# Altium PCB 6502_CPU_MainBoard_PCB_V1_2_x.PcbDoc (part 3 of 4) (continued)
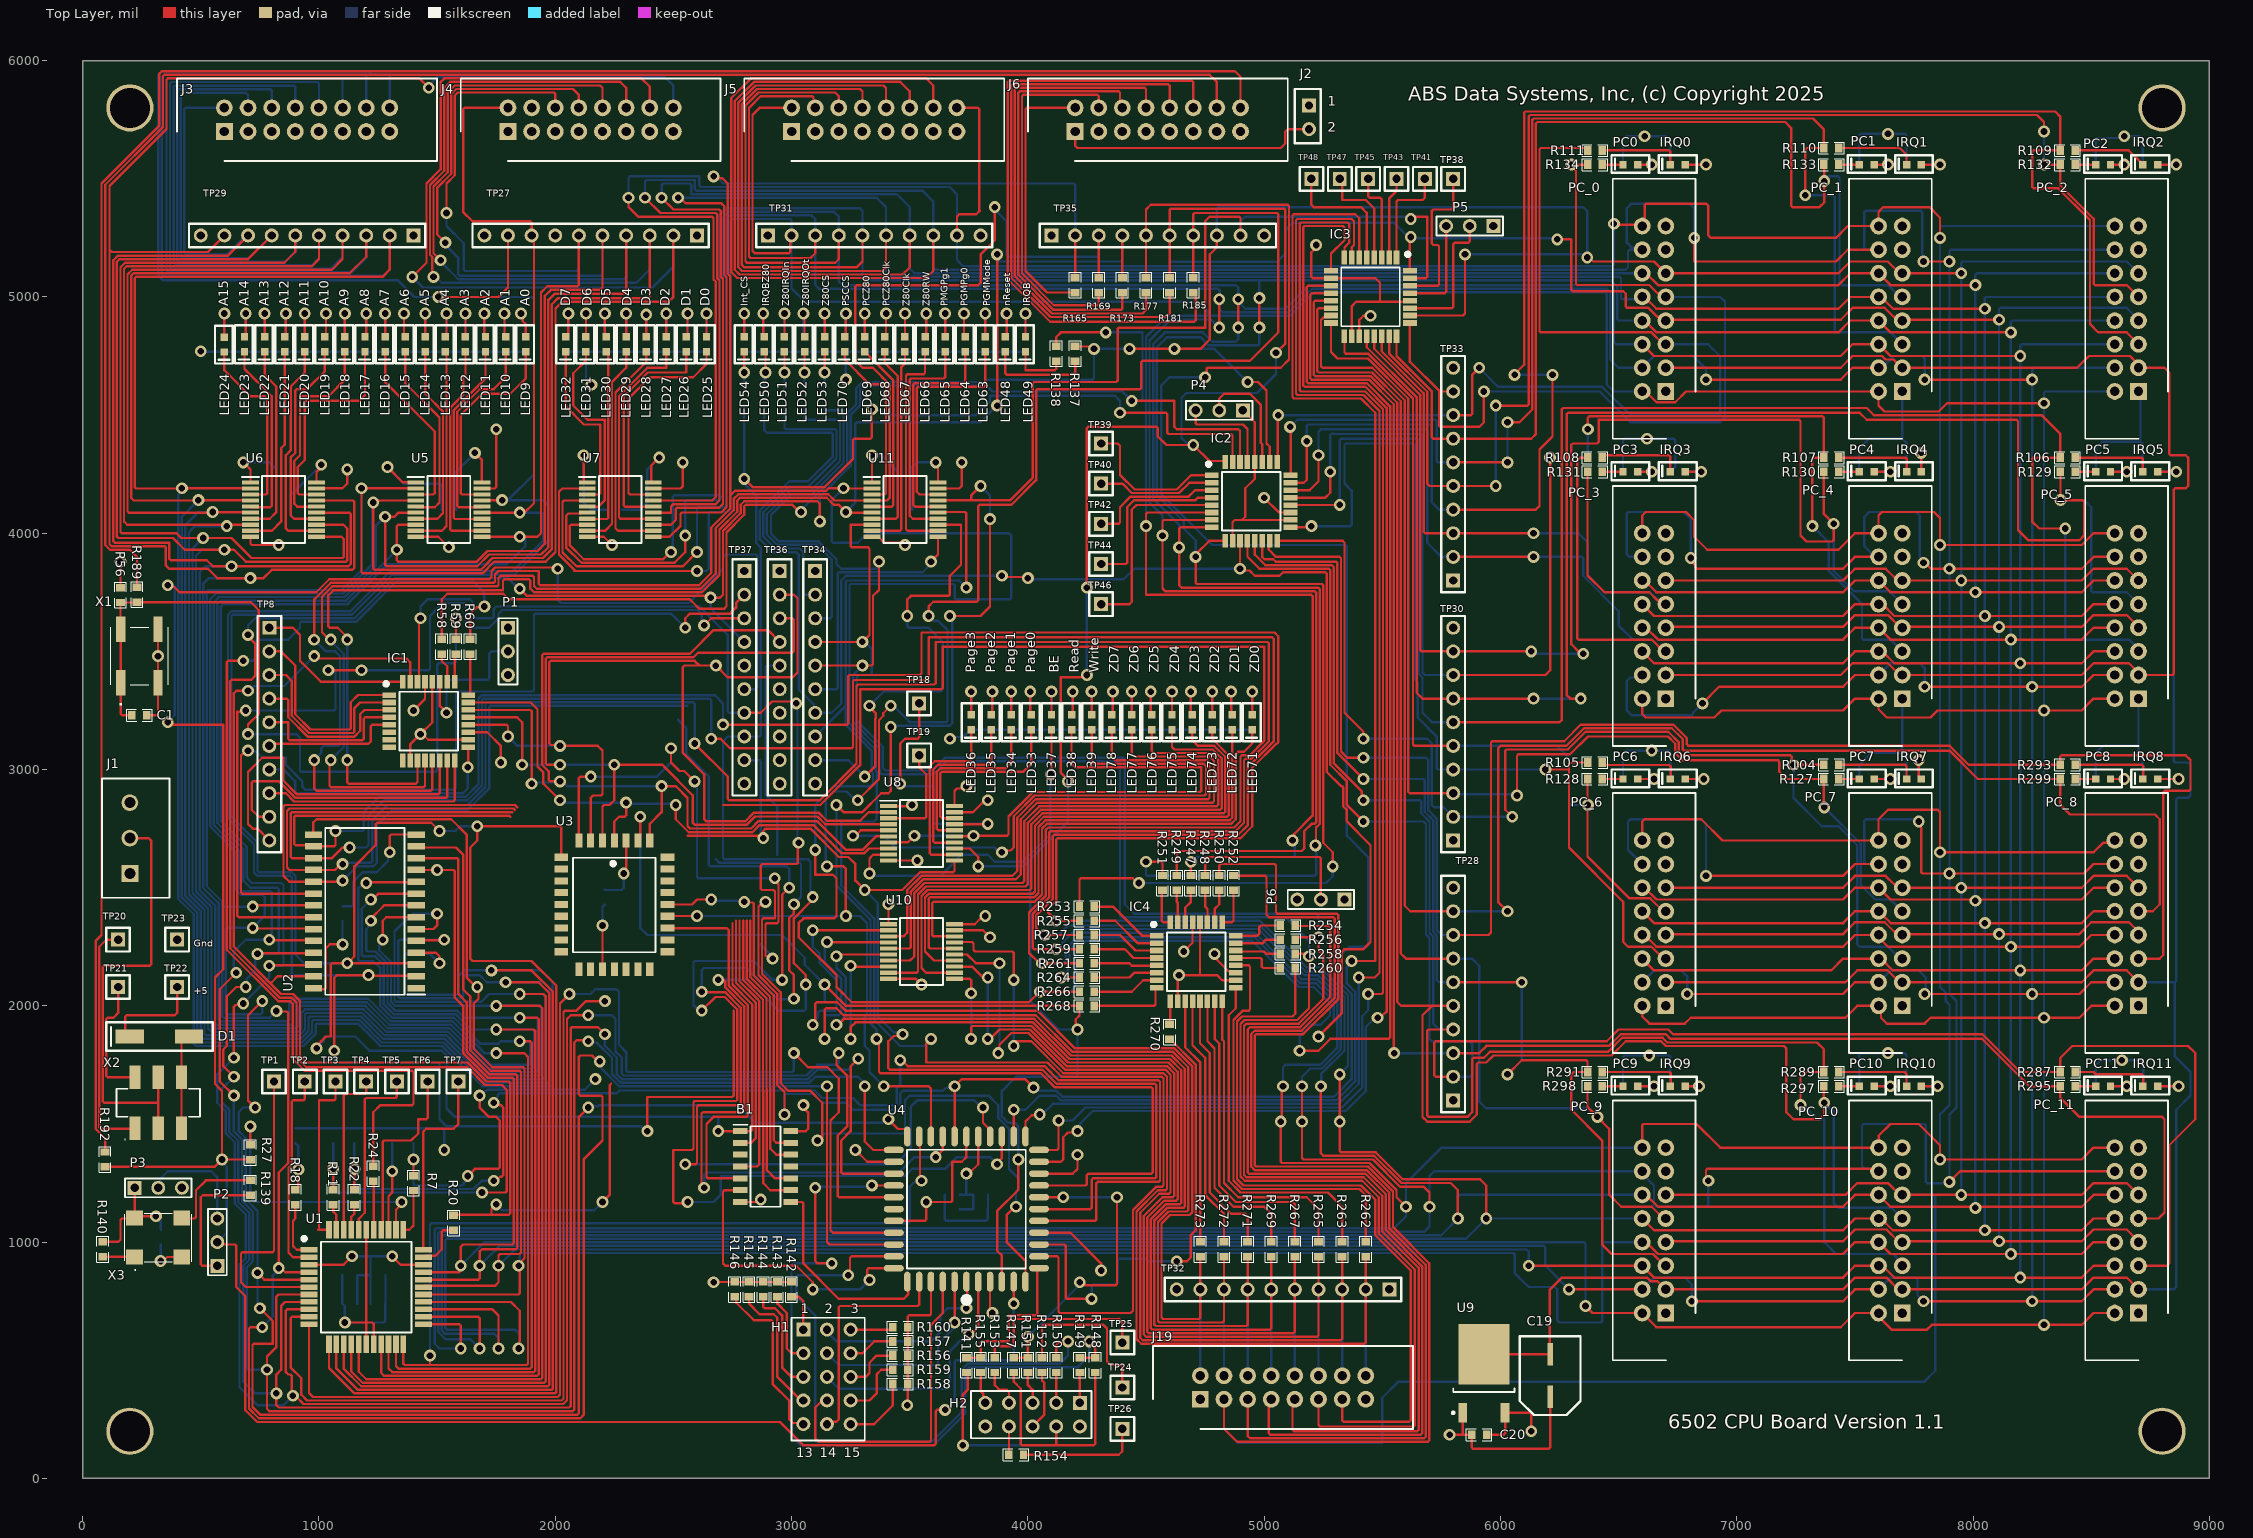
[diagram p0: Top Layer view]
## Nets (pads, with @x,y where several pads share a name; then routed paths per layer and width w, separated by ;. In a path a pad name is that pad's centre, name@x,y a point inside that pad or via, vN(x,y) a via of type N, cw(c..) or ccw(c..) an arc to the next point about the centre after c; other vN are vias at no path point) (continued)
NetJ6_6: J6.6 R173.2 | length 1845.2
  Top Layer w10: R173.2@4400,5018.5 4400,4950.86 4394.14,4945 4108.79,4945 3960,5093.79 3960,5864.14 3965.86,5870 4384.14,5870 4390,5864.14 4390,5810 J6.6@4400,5800
NetJ6_8: J6.8 R177.2 | length 2131.3
  Top Layer w10: R177.2@4500,5018.5 4500,4977.24 4500.86,4976.38 4500.86,4945.86 4485,4930 4102.57,4930 3945,5087.57 3945,5879.14 3950.86,5885 4494.14,5885 4500,5879.14 J6.8@4500,5800
NetJ6_10: J6.10 R181.2 | length 2415.4
  Top Layer w10: R181.2@4600,5018.5 4600,4930 4585,4915 4096.36,4915 3930,5081.36 3930,5894.14 3935.86,5900 4594.14,5900 4600,5894.14 J6.10@4600,5800
NetJ6_12: J6.12 R185.2 | length 2726.8
  Top Layer w10: R185.2@4700,5018.5 4710,5008.5 4710,4900.86 4704.14,4895 4095.15,4895 3915,5075.15 3915,5909.14 3920.86,5915 4694.14,5915 4700,5909.14 J6.12@4700,5800
NetJ6_14: J6.14 R189.2 | length 6952.6
  Top Layer w10: R189.2@230,3771.5 230,3900 200,3930 116.21,3930 95.61,3950.61 95.61,5474.39 340,5718.79 340,5933.54 346.46,5940 4769.14,5940 4800,5909.14 J6.14@4800,5800
NetJ6_16: J6.16 R192.2 | length 9412.4
  Top Layer w10: R192.2@95,1381.5 95,1439.64 55,1479.64 55,2275 80,2300 80,5480 325,5725 325,5945 335,5955 4876.72,5955 4900,5931.72 J6.16@4900,5800
NetLED9_1: LED9.1 U5.18 | length 875.1
  Top Layer w10: U5.18@1689.76,4163.98 1605.86,4163.98 1600,4169.83 1600,4500 1690,4590 1810,4590 1875,4655 LED9.1@1875,4768.5
NetLED9_2: LED9.2 R80.1 | length 213.6
  Top Layer w10: v1(1855,4930) 1862.65,4922.35 1862.65,4897.35 1875,4885 LED9.2@1875,4831.5
  Bottom Layer w10: v1(1855,4930) 1862.65,4922.35 1862.65,4897.35 1875,4885 R80.1@1875,4831.5
NetLED10_1: LED10.1 U5.16 | length 879.8
  Top Layer w10: U5.16@1689.76,4112.8 1686.97,4110 1591.72,4110 1585,4116.72 1585,4513.79 1680.61,4609.39 1739.39,4609.39 1790,4660 LED10.1@1790,4768.5
NetLED10_2: LED10.2 R81.1 | length 201.2
  Top Layer w10: v1(1785,4930) 1785,4836.5 LED10.2@1790,4831.5
  Bottom Layer w10: v1(1785,4930) 1785,4836.5 R81.1@1790,4831.5
NetLED11_1: LED11.1 U5.14 | length 881.4
  Top Layer w10: U5.14@1689.76,4061.61 1688.15,4060 1575.86,4060 1570,4065.86 1570,4520 1705,4655 LED11.1@1705,4768.5
NetLED11_2: LED11.2 R82.1 | length 201.2
  Top Layer w10: v1(1700,4930) 1700,4836.5 LED11.2@1705,4831.5
  Bottom Layer w10: v1(1700,4930) 1700,4836.5 R82.1@1705,4831.5
NetLED12_1: LED12.1 U5.12 | length 916.3
  Top Layer w10: LED12.1@1620,4768.5 1620,4670 1610,4660 1610,4585 1555,4530 1555,4016.29 1560.86,4010.43 U5.12@1689.76,4010.43
NetLED12_2: LED12.2 R83.1 | length 197
  Top Layer w10: LED12.2@1620,4831.5 v1(1620,4930)
  Bottom Layer w10: R83.1@1620,4831.5 v1(1620,4930)
NetLED13_1: LED13.1 U5.9 | length 878.4
  Top Layer w10: U5.9@1410.24,4010.43 1520.43,4010.43 1540,4030 1540,4763.5 LED13.1@1535,4768.5
NetLED13_2: LED13.2 R84.1 | length 201.2
  Top Layer w10: LED13.2@1535,4831.5 1540,4836.5 v1(1540,4930)
  Bottom Layer w10: R84.1@1535,4831.5 1540,4836.5 v1(1540,4930)
NetLED14_1: LED14.1 U5.7 | length 839
  Top Layer w10: U5.7@1410.24,4061.61 1501.61,4061.61 1525,4085 1525,4515 1450,4590 LED14.1@1450,4768.5
NetLED14_2: LED14.2 R85.1 | length 197
  Top Layer w10: LED14.2@1450,4831.5 v1(1450,4930)
  Bottom Layer w10: R85.1@1450,4831.5 v1(1450,4930)
NetLED15_1: LED15.1 U5.5 | length 807.8
  Top Layer w10: LED15.1@1365,4768.5 1365,4635 1510,4490 1510,4130 1490,4110 1413.03,4110 U5.5@1410.24,4112.8
NetLED15_2: LED15.2 R86.1 | length 201.2
  Top Layer w10: v1(1360,4930) 1360,4836.5 LED15.2@1365,4831.5
  Bottom Layer w10: v1(1360,4930) 1360,4836.5 R86.1@1365,4831.5
NetLED16_1: LED16.1 U5.3 | length 767.8
  Top Layer w10: LED16.1@1280,4768.5 1280,4640 1490,4430 1490,4169.83 1484.14,4163.98 U5.3@1410.24,4163.98
NetLED16_2: LED16.2 R87.1 | length 197
  Top Layer w10: LED16.2@1280,4831.5 v1(1280,4930)
  Bottom Layer w10: R87.1@1280,4831.5 v1(1280,4930)
NetLED17_1: LED17.1 U6.18 | length 930.2
  Top Layer w10: U6.18@989.76,4163.98 915.86,4163.98 910,4169.83 910,4280 940,4310 940,4554.14 945.86,4560 1170,4560 1195,4585 LED17.1@1195,4768.5
NetLED17_2: LED17.2 R88.1 | length 201.2
  Top Layer w10: LED17.2@1195,4831.5 1200,4836.5 v1(1200,4930)
  Bottom Layer w10: R88.1@1195,4831.5 1200,4836.5 v1(1200,4930)
NetLED18_1: LED18.1 U6.16 | length 898.7
  Top Layer w10: U6.16@989.76,4112.8 908.06,4112.8 895,4125.86 895,4305 920,4330 920,4574.14 925.86,4580 1040,4580 1110,4650 LED18.1@1110,4768.5
NetLED18_2: LED18.2 R89.1 | length 197
  Top Layer w10: LED18.2@1110,4831.5 v1(1110,4930)
  Bottom Layer w10: R89.1@1110,4831.5 v1(1110,4930)
NetLED19_1: LED19.1 U6.14 | length 894.2
  Top Layer w10: U6.14@989.76,4061.61 894.24,4061.61 880,4075.86 880,4320 900,4340 900,4604.14 905.86,4610 950,4610 1025,4685 LED19.1@1025,4768.5
NetLED19_2: LED19.2 R90.1 | length 201.2
  Top Layer w10: LED19.2@1025,4831.5 1030,4836.5 v1(1030,4930)
  Bottom Layer w10: R90.1@1025,4831.5 1030,4836.5 v1(1030,4930)
NetLED20_1: LED20.1 U6.12 | length 915.4
  Top Layer w10: LED20.1@940,4768.5 940,4680 880,4620 880,4350 860,4330 860,4020 869.57,4010.43 U6.12@989.76,4010.43
NetLED20_2: LED20.2 R91.1 | length 197
  Top Layer w10: LED20.2@940,4831.5 v1(940,4930)
  Bottom Layer w10: R91.1@940,4831.5 v1(940,4930)
NetLED21_1: LED21.1 U6.9 | length 871.2
  Top Layer w10: U6.9@710.24,4010.43 710.67,4010 800,4010 840,4050 840,4360 855,4375 LED21.1@855,4768.5
NetLED21_2: LED21.2 R92.1 | length 201.2
  Top Layer w10: LED21.2@855,4831.5 860,4836.5 v1(860,4930)
  Bottom Layer w10: R92.1@855,4831.5 860,4836.5 v1(860,4930)
NetLED22_1: LED22.1 U6.7 | length 820.7
  Top Layer w10: U6.7@710.24,4061.61 791.61,4061.61 820,4090 820,4620 770,4670 LED22.1@770,4768.5
NetLED22_2: LED22.2 R93.1 | length 197
  Top Layer w10: LED22.2@770,4831.5 v1(770,4930)
  Bottom Layer w10: R93.1@770,4831.5 v1(770,4930)
NetLED23_1: LED23.1 U6.5 | length 793.6
  Top Layer w10: LED23.1@685,4768.5 685,4695 800,4580 800,4115.86 794.14,4110 713.03,4110 U6.5@710.24,4112.8
NetLED23_2: LED23.2 R94.1 | length 201.2
  Top Layer w10: LED23.2@685,4831.5 690,4836.5 v1(690,4930)
  Bottom Layer w10: R94.1@685,4831.5 690,4836.5 v1(690,4930)
NetLED24_1: LED24.1 U6.3 | length 781.7
  Top Layer w10: LED24.1@600,4767 600,4690 710,4580 770,4580 781.88,4568.12 781.88,4169.83 776.02,4163.98 U6.3@710.24,4163.98
NetLED24_2: LED24.2 R95.1 | length 198.5
  Top Layer w10: LED24.2@600,4830 v1(600,4930)
  Bottom Layer w10: R95.1@600,4831.5 v1(600,4930)
NetLED25_1: LED25.1 U7.18 | length 950.4
  Top Layer w10: U7.18@2414.76,4163.98 2315.86,4163.98 2310,4169.83 2310,4570 2400,4660 2584.14,4660 2640,4715.86 LED25.1@2640,4768.5
NetLED25_2: LED25.2 R96.2 | length 197
  Top Layer w10: LED25.2@2640,4831.5 v1(2640,4930)
  Bottom Layer w10: R96.2@2640,4831.5 v1(2640,4930)
NetLED26_1: LED26.1 U7.16 | length 982.8
  Top Layer w10: U7.16@2414.76,4112.8 2295.86,4112.8 2290,4118.65 2290,4578.79 2391.21,4680 2555,4680 LED26.1@2555,4768.5
NetLED26_2: LED26.2 R97.2 | length 201.2
  Top Layer w10: LED26.2@2555,4831.5 2560,4836.5 v1(2560,4930)
  Bottom Layer w10: R97.2@2555,4831.5 2560,4836.5 v1(2560,4930)
NetLED27_1: LED27.1 U7.14 | length 977.9
  Top Layer w10: U7.14@2414.76,4061.61 2275.86,4061.61 2270,4067.47 2270,4580 2390,4700 2470,4700 LED27.1@2470,4768.5
NetLED27_2: LED27.2 R98.2 | length 197
  Top Layer w10: LED27.2@2470,4831.5 v1(2470,4930)
  Bottom Layer w10: R98.2@2470,4831.5 v1(2470,4930)
NetLED28_1: LED28.1 U7.12 | length 965.3
  Top Layer w10: LED28.1@2385,4768.5 2385,4725 2255,4595 2255,4021.29 2265.86,4010.43 U7.12@2414.76,4010.43
NetLED28_2: LED28.2 R99.2 | length 187
  Top Layer w10: LED28.2@2385,4831.5 v1(2385,4925)
  Bottom Layer w10: R99.2@2385,4831.5 v1(2385,4925)
NetLED29_1: LED29.1 U7.9 | length 895.7
  Top Layer w10: U7.9@2110.24,4010.43 U7.9@2135.24,4010.43 2135.67,4010 2210,4010 2240,4040 2240,4640 2300,4700 LED29.1@2300,4768.5
NetLED29_2: LED29.2 R100.2 | length 197
  Top Layer w10: LED29.2@2300,4831.5 v1(2300,4930)
  Bottom Layer w10: R100.2@2300,4831.5 v1(2300,4930)
NetLED30_1: LED30.1 U7.7 | length 824.6
  Top Layer w10: U7.7@2110.24,4061.61 U7.7@2135.24,4061.61 2136.85,4060 2219.14,4060 2225,4065.86 2225,4758.5 LED30.1@2215,4768.5
NetLED30_2: LED30.2 R101.2 | length 201.2
  Top Layer w10: v1(2210,4930) 2210,4836.5 LED30.2@2215,4831.5
  Bottom Layer w10: v1(2210,4930) 2210,4836.5 R101.2@2215,4831.5
NetLED31_1: LED31.1 U7.5 | length 835.2
  Top Layer w10: LED31.1@2130,4768.5 2130,4731 2076,4677 2076,4541 2137,4480 2210,4480 2210,4140 2182.8,4112.8 U7.5@2135.24,4112.8
NetLED31_2: LED31.2 R102.2 | length 197
  Top Layer w10: LED31.2@2130,4831.5 v1(2130,4930)
  Bottom Layer w10: R102.2@2130,4831.5 v1(2130,4930)
NetLED32_1: LED32.1 U7.3 | length 781.5
  Top Layer w10: LED32.1@2045,4768.5 2045,4536 2121,4460 2190,4460 2190,4169.72 2184.14,4163.86 2135.35,4163.86 U7.3@2135.24,4163.98 U7.3@2110.24,4163.98
NetLED32_2: LED32.2 R103.2 | length 206.1
  Top Layer w10: LED32.2@2045,4831.5 2055.75,4842.24 2055.75,4929.89 v1(2055.86,4930)
  Bottom Layer w10: R103.2@2045,4831.5 2050,4836.5 2050.11,4836.5 2055.86,4842.24 v1(2055.86,4930)
NetLED33_1: LED33.1 U8.18 | length 790.7
  Top Layer w10: U8.18@3689.76,2793.98 3637.9,2793.98 3630,2801.87 3630,2984.14 3635.86,2990 3980,2990 4015,3025 LED33.1@4015,3168.5
NetLED33_2: LED33.2 R112.2 | length 201.2
  Top Layer w10: v1(4010,3330) 4010,3236.5 LED33.2@4015,3231.5
  Bottom Layer w10: v1(4010,3330) 4010,3236.5 R112.2@4015,3231.5
NetLED34_1: LED34.1 U8.16 | length 788.8
  Top Layer w10: U8.16@3689.76,2742.8 3620.86,2742.8 3615,2748.65 3615,2990.36 3629.64,3005 3905,3005 3930,3030 LED34.1@3930,3168.5
NetLED34_2: LED34.2 R113.2 | length 197
  Top Layer w10: LED34.2@3930,3231.5 v1(3930,3330)
  Bottom Layer w10: R113.2@3930,3231.5 v1(3930,3330)
NetLED35_1: LED35.1 U8.14 | length 795.4
  Top Layer w10: U8.14@3689.76,2691.61 3688.15,2690 3605.86,2690 3600,2695.86 3600,3000 3620,3020 3839.14,3020 3845,3025.86 LED35.1@3845,3168.5
NetLED35_2: LED35.2 R114.2 | length 201.2
  Top Layer w10: LED35.2@3845,3231.5 3850,3236.5 v1(3850,3330)
  Bottom Layer w10: R114.2@3845,3231.5 3850,3236.5 v1(3850,3330)
NetLED36_1: LED36.1 U8.12 | length 789.4
  Top Layer w10: U8.12@3689.76,2640.43 3689.33,2640 3590.86,2640 3585,2645.86 3585,3014.14 3605.86,3035 3754.14,3035 3760,3040.86 LED36.1@3760,3168.5
NetLED36_2: LED36.2 R115.2 | length 197
  Top Layer w10: LED36.2@3760,3231.5 v1(3760,3330)
  Bottom Layer w10: R115.2@3760,3231.5 v1(3760,3330)
NetLED37_1: LED37.1 U8.9 | length 1462.5
  Top Layer w10: v1(3330,2560) 3330,2624.14 3345.86,2640 3409.8,2640 U8.9@3410.24,2640.43 ; v1(4096.8,2978.93) 4100,2982.14 LED37.1@4100,3168.5
  Bottom Layer w10: v1(3330,2560) 3337.65,2552.35 3353.51,2552.35 3355.86,2550 3630,2550 3720,2640 3830,2640 3860,2610 3978.79,2610 4095,2726.21 4095,2977.14 v1(4096.8,2978.93)
NetLED37_2: LED37.2 R116.2 | length 197
  Top Layer w10: LED37.2@4100,3231.5 v1(4100,3330)
  Bottom Layer w10: R116.2@4100,3231.5 v1(4100,3330)
NetLED38_2: LED38.2 R117.2 | length 201.2
  Top Layer w10: LED38.2@4185,3231.5 4190,3236.5 v1(4190,3330)
  Bottom Layer w10: R117.2@4185,3231.5 4190,3236.5 v1(4190,3330)
NetLED39_1: LED39.1 U8.5 | length 2608.8
  Top Layer w10: v1(3260,2720) 3270.82,2720 3293.62,2742.8 U8.5@3410.24,2742.8 ; v1(3890,2650) 3897.65,2657.65 3927.65,2657.65 3940,2670 3940,2802.43 4027.57,2890 4748.08,2890 4753.93,2895.86 4753.93,3014.14 4743.08,3025 4275.86,3025 4270,3030.86 LED39.1@4270,3168.5
  Bottom Layer w10: v1(3260,2720) 3390,2720 3440,2670 3859.18,2670 3879.18,2650 v1(3890,2650)
NetLED39_2: LED39.2 R118.2 | length 197
  Top Layer w10: LED39.2@4270,3231.5 v1(4270,3330)
  Bottom Layer w10: R118.2@4270,3231.5 v1(4270,3330)
NetLED48_1: LED48.1 R137.2 | length 442.7
  Top Layer w10: LED48.1@3905,4768.5 3905,4675.86 3910.86,4670 4190,4670 4200,4680 R137.2@4200,4728.5
NetLED48_2: LED48.2 R135.2 | length 201.2
  Top Layer w10: LED48.2@3905,4831.5 3910,4836.5 v1(3910,4930)
  Bottom Layer w10: R135.2@3905,4831.5 3910,4836.5 v1(3910,4930)
NetLED49_1: LED49.1 R138.2 | length 243.6
  Top Layer w10: LED49.1@3990,4768.5 3990,4690 4114.14,4690 4120,4695.86 R138.2@4120,4728.5
NetLED49_2: LED49.2 R136.2 | length 197
  Top Layer w10: LED49.2@3990,4831.5 v1(3990,4930)
  Bottom Layer w10: R136.2@3990,4831.5 v1(3990,4930)
NetLED50_1: LED50.1 R288.2 | length 181.2
  Top Layer w10: LED50.1@2885,4768.5 2890,4763.5 v1(2890,4680)
  Bottom Layer w10: R288.2@2885,4591.5 2885,4675 v1(2890,4680)
NetLED50_2: LED50.2 R274.2 | length 201.2
  Top Layer w10: v1(2880,4930) 2880,4836.5 LED50.2@2885,4831.5
  Bottom Layer w10: v1(2880,4930) 2880,4836.5 R274.2@2885,4831.5
NetLED51_1: LED51.1 R290.2 | length 177
  Top Layer w10: v1@2970,4670 LED51.1@2970,4768.5
  Bottom Layer w10: R290.2@2970,4591.5 v1@2970,4670
  other v1: 2970,4680
NetLED51_2: LED51.2 R275.2 | length 211.2
  Top Layer w10: v1(2970,4930) LED51.2@2970,4831.5 LED51.2@2980,4841.5
  Bottom Layer w10: R275.2@2970,4831.5 v1(2970,4930)
NetLED52_1: LED52.1 R292.2 | length 177
  Top Layer w10: v1(3055,4680) LED52.1@3055,4768.5
  Bottom Layer w10: R292.2@3055,4591.5 v1(3055,4680)
NetLED52_2: LED52.2 R276.2 | length 201.2
  Top Layer w10: v1(3050,4930) 3055,4925 LED52.2@3055,4831.5
  Bottom Layer w10: v1(3050,4930) 3050,4836.5 R276.2@3055,4831.5
NetLED53_1: LED53.1 R294.2 | length 177
  Top Layer w10: v1(3140,4680) LED53.1@3140,4768.5
  Bottom Layer w10: R294.2@3140,4591.5 v1(3140,4680)
NetLED53_2: LED53.2 R277.2 | length 197
  Top Layer w10: LED53.2@3140,4831.5 v1(3140,4930)
  Bottom Layer w10: R277.2@3140,4831.5 v1(3140,4930)
NetLED54_1: LED54.1 R296.2 | length 177
  Top Layer w10: v1(2800,4680) LED54.1@2800,4768.5
  Bottom Layer w10: R296.2@2800,4591.5 v1(2800,4680)
NetLED54_2: LED54.2 R278.2 | length 197
  Top Layer w10: LED54.2@2800,4831.5 v1(2800,4930)
  Bottom Layer w10: R278.2@2800,4831.5 v1(2800,4930)
NetLED63_1: LED63.1 U11.18 | length 971.3
  Top Layer w10: U11.18@3619.76,4163.98 3541.45,4163.98 3529.57,4175.86 3529.57,4614.14 3535.43,4620 3814.14,4620 3820,4625.86 LED63.1@3820,4768.5
NetLED63_2: LED63.2 R300.2 | length 197
  Top Layer w10: LED63.2@3820,4831.5 v1(3820,4930)
  Bottom Layer w10: R300.2@3820,4831.5 v1(3820,4930)
NetLED64_1: LED64.1 U11.16 | length 969.8
  Top Layer w10: U11.16@3619.76,4112.8 3522.63,4112.8 3514.57,4120.86 3514.57,4629.14 3520.43,4635 3729.14,4635 3735,4640.86 LED64.1@3735,4768.5
NetLED64_2: LED64.2 R301.2 | length 201.2
  Top Layer w10: v1(3730,4930) 3730,4836.5 LED64.2@3735,4831.5
  Bottom Layer w10: v1(3730,4930) 3730,4836.5 R301.2@3735,4831.5
NetLED65_1: LED65.1 U11.14 | length 962.8
  Top Layer w10: U11.14@3619.76,4061.61 3512.95,4061.61 3499.57,4075 3499.57,4649.14 3505.43,4655 3644.14,4655 3650,4660.86 LED65.1@3650,4768.5
NetLED65_2: LED65.2 R302.2 | length 197
  Top Layer w10: LED65.2@3650,4831.5 v1(3650,4930)
  Bottom Layer w10: R302.2@3650,4831.5 v1(3650,4930)
NetLED66_1: LED66.1 U11.12 | length 963.4
  Top Layer w10: LED66.1@3565,4768.5 3565,4679.14 3559.14,4673.28 3490.43,4673.28 3484.57,4667.43 3484.57,4016.29 3490.43,4010.43 U11.12@3619.76,4010.43
NetLED66_2: LED66.2 R303.2 | length 201.2
  Top Layer w10: LED66.2@3565,4831.5 3570,4836.5 v1(3570,4930)
  Bottom Layer w10: R303.2@3565,4831.5 3570,4836.5 v1(3570,4930)
NetLED67_1: LED67.1 U11.9 | length 885.6
  Top Layer w10: U11.9@3340.24,4010.43 3459.14,4010.43 3465,4016.29 3465,4703.88 3480,4718.88 LED67.1@3480,4768.5
NetLED67_2: LED67.2 R304.2 | length 197
  Top Layer w10: LED67.2@3480,4831.5 v1(3480,4930)
  Bottom Layer w10: R304.2@3480,4831.5 v1(3480,4930)
NetLED68_1: LED68.1 U11.7 | length 834.5
  Top Layer w10: U11.7@3340.24,4061.61 3441.61,4061.61 3450,4070 3450,4664.14 3395,4719.14 LED68.1@3395,4768.5
NetLED68_2: LED68.2 R305.2 | length 201.2
  Top Layer w10: LED68.2@3395,4831.5 3400,4836.5 v1(3400,4930)
  Bottom Layer w10: R305.2@3395,4831.5 3400,4836.5 v1(3400,4930)
NetLED69_1: LED69.1 U11.5 | length 791.7
  Top Layer w10: LED69.1@3310,4768.5 3430,4648.5 3430,4118.65 3424.14,4112.8 U11.5@3340.24,4112.8
NetLED69_2: LED69.2 R306.2 | length 197
  Top Layer w10: LED69.2@3310,4831.5 v1(3310,4930)
  Bottom Layer w10: R306.2@3310,4831.5 v1(3310,4930)
NetLED70_1: LED70.1 U11.3 | length 770.7
  Top Layer w10: LED70.1@3225,4768.5 3225,4735 3330,4630 3393.79,4630 3400,4623.79 3400,4169.83 3394.14,4163.98 U11.3@3340.24,4163.98
NetLED70_2: LED70.2 R307.2 | length 201.2
  Top Layer w10: LED70.2@3225,4831.5 3230,4836.5 v1(3230,4930)
  Bottom Layer w10: R307.2@3225,4831.5 3230,4836.5 v1(3230,4930)
NetLED71_1: LED71.1 U10.18 | length 2248.9
  Top Layer w10: U10.18@3689.76,2293.98 3600.86,2293.98 3595,2299.83 3595,2434.14 3600.86,2440 4028.79,2440 4060,2471.21 4060,2750 4080,2770 4860,2770 4880,2790 4880,3064.14 4890.86,3075 4915,3075 4950,3110 LED71.1@4950,3168.5
NetLED71_2: LED71.2 R308.2 | length 197
  Top Layer w10: LED71.2@4950,3231.5 v1(4950,3330)
  Bottom Layer w10: R308.2@4950,3231.5 v1(4950,3330)
NetLED72_1: LED72.1 U10.16 | length 2279.1
  Top Layer w10: U10.16@3689.76,2242.8 3585.86,2242.8 3580,2248.65 3580,2452.72 3587.28,2460 4027.57,2460 4045,2477.43 4045,2676.72 4045,2756.21 4073.79,2785 4085,2785 4853.79,2785 4865,2796.21 LED72.1@4865,3168.5
NetLED72_2: LED72.2 R309.2 | length 201.2
  Top Layer w10: v1(4860,3330) 4860,3236.5 LED72.2@4865,3231.5
  Bottom Layer w10: v1(4860,3330) 4860,3236.5 R309.2@4865,3231.5
NetLED73_1: LED73.1 U10.14 | length 2353.5
  Top Layer w10: U10.14@3689.76,2191.61 3603.03,2191.61 3565,2229.64 3565,2458.93 3581.07,2475 4021.36,2475 4030,2483.64 4030,2682.93 4030,2762.43 4067.57,2800 4078.79,2800 4844.14,2800 4850,2805.86 4850,3060 4780,3130 LED73.1@4780,3168.5
NetLED73_2: LED73.2 R310.2 | length 197
  Top Layer w10: LED73.2@4780,3231.5 v1(4780,3330)
  Bottom Layer w10: R310.2@4780,3231.5 v1(4780,3330)
NetLED74_1: LED74.1 U10.12 | length 2490.2
  Top Layer w10: U10.12@3689.76,2140.43 3569.57,2140.43 3550,2160 3550,2465.15 3574.85,2490 4007.71,2490 4015,2497.29 4015,2689.14 4015,2768.64 4061.36,2815 4072.57,2815 4829.14,2815 4835,2820.86 4835,3053.79 4788.79,3100 4720,3100 4696.39,3123.61 4696.39,3167.12 LED74.1@4695,3168.5
NetLED74_2: LED74.2 R311.2 | length 201.2
  Top Layer w10: v1(4690,3330) 4690,3236.5 LED74.2@4695,3231.5
  Bottom Layer w10: v1(4690,3330) 4690,3236.5 R311.2@4695,3231.5
NetLED75_1: LED75.1 U10.9 | length 2555.2
  Top Layer w10: U10.9@3410.24,2140.43 3410.67,2140 3529.14,2140 3535,2145.86 3535,2471.36 3568.64,2505 3989.53,2505 4000,2515.47 4000,2695.36 4000,2774.85 4055.15,2830 4066.36,2830 4814.14,2830 4820,2835.86 4820,3047.57 4782.57,3085 4620.86,3085 4610,3095.86 LED75.1@4610,3168.5
NetLED75_2: LED75.2 R312.2 | length 197
  Top Layer w10: LED75.2@4610,3231.5 v1(4610,3330)
  Bottom Layer w10: R312.2@4610,3231.5 v1(4610,3330)
NetLED76_1: LED76.1 U10.7 | length 2550.7
  Top Layer w10: U10.7@3410.24,2191.61 3501.61,2191.61 3520,2210 3520,2477.57 3562.43,2520 3977.71,2520 3985,2527.29 3985,2701.57 3985,2781.07 4048.93,2845 4060.15,2845 4799.14,2845 4805,2850.86 4805,3041.36 4776.36,3070 4530.86,3070 4525,3075.86 LED76.1@4525,3168.5
NetLED76_2: LED76.2 R313.2 | length 201.2
  Top Layer w10: v1(4520,3330) 4520,3236.5 LED76.2@4525,3231.5
  Bottom Layer w10: v1(4520,3330) 4520,3236.5 R313.2@4525,3231.5
NetLED77_1: LED77.1 U10.5 | length 2544
  Top Layer w10: U10.5@3410.24,2242.8 3499.14,2242.8 3505,2248.65 3505,2483.79 3556.21,2535 3949.14,2535 3970,2555.86 3970,2790 4040,2860 4781.72,2860 4787.57,2865.86 4787.57,3037.57 4770.15,3055 4450.86,3055 4440,3065.86 LED77.1@4440,3168.5
NetLED77_2: LED77.2 R314.2 | length 197
  Top Layer w10: LED77.2@4440,3231.5 v1(4440,3330)
  Bottom Layer w10: R314.2@4440,3231.5 v1(4440,3330)
NetLED78_1: LED78.1 U10.3 | length 2525.7
  Top Layer w10: U10.3@3410.24,2293.98 3473.98,2293.98 3490,2310 3490,2490 3550,2550 3934.14,2550 3955,2570.86 3955,2796.21 4033.79,2875 4045,2875 4763.08,2875 4768.93,2880.86 4768.93,3029.14 4758.08,3040 4370,3040 4355,3055 LED78.1@4355,3168.5
NetLED78_2: LED78.2 R315.2 | length 201.2
  Top Layer w10: LED78.2@4355,3231.5 4360,3236.5 v1(4360,3330)
  Bottom Layer w10: R315.2@4355,3231.5 4360,3236.5 v1(4360,3330)
NetP2_1: P2.1 R139.2 | length 572.2
  Top Layer w10: P2.1@570,900 505.86,900 500,905.86 500,1190 508.5,1198.5 R139.2@710,1198.5 R139.2@708.5,1200
NetPC0_1: PC0.1 R134.2 | length 87
  Top Layer w10: R134.2@6431.5,5560 PC0.1@6518.5,5560
NetPC0_2: PC0.2 R126.2 | length 127
  Top Layer w10: PC0.2@6581.5,5560 v1(6640,5560)
  Bottom Layer w10: R126.2@6571.5,5560 v1(6640,5560)
NetPC1_1: PC1.1 R133.2 | length 87
  Top Layer w10: R133.2@7431.5,5560 PC1.1@7518.5,5560
NetPC1_2: PC1.2 R125.2 | length 127
  Top Layer w10: PC1.2@7581.5,5560 v1(7640,5560)
  Bottom Layer w10: R125.2@7571.5,5560 v1(7640,5560)
NetPC2_1: PC2.1 R132.2 | length 87
  Top Layer w10: R132.2@8431.5,5560 PC2.1@8518.5,5560
NetPC2_2: PC2.2 R124.2 | length 127
  Top Layer w10: PC2.2@8581.5,5560 v1(8640,5560)
  Bottom Layer w10: R124.2@8571.5,5560 v1(8640,5560)
NetPC3_1: PC3.1 R131.2 | length 87
  Top Layer w10: R131.2@6431.5,4260 PC3.1@6518.5,4260
NetPC3_2: PC3.2 R123.2 | length 131.2
  Top Layer w10: PC3.2@6581.5,4250 6591.5,4260 v1(6640,4260)
  Bottom Layer w10: R123.2@6571.5,4260 v1(6640,4260)
NetPC4_1: PC4.1 R130.2 | length 87
  Top Layer w10: R130.2@7431.5,4260 PC4.1@7518.5,4260
NetPC4_2: PC4.2 R122.2 | length 131.2
  Top Layer w10: PC4.2@7581.5,4250 7591.5,4260 v1(7650,4260)
  Bottom Layer w10: R122.2@7591.5,4260 v1(7650,4260)
NetPC5_1: PC5.1 R129.2 | length 87
  Top Layer w10: R129.2@8431.5,4260 PC5.1@8518.5,4260
NetPC5_2: PC5.2 R121.2 | length 131.2
  Top Layer w10: PC5.2@8581.5,4250 8591.5,4260 v1(8650,4260)
  Bottom Layer w10: R121.2@8591.5,4260 v1(8650,4260)
NetPC6_1: PC6.1 R128.2 | length 87
  Top Layer w10: R128.2@6431.5,2960 PC6.1@6518.5,2960
NetPC6_2: PC6.2 R120.2 | length 147
  Top Layer w10: PC6.2@6581.5,2960 v1(6650,2960)
  Bottom Layer w10: R120.2@6571.5,2960 v1(6650,2960)
NetPC7_1: PC7.1 R127.2 | length 87
  Top Layer w10: R127.2@7431.5,2960 PC7.1@7518.5,2960
NetPC7_2: PC7.2 R119.2 | length 127
  Top Layer w10: PC7.2@7581.5,2960 v1(7650,2960)
  Bottom Layer w10: R119.2@7591.5,2960 v1(7650,2960)
NetPC8_1: PC8.1 R299.2 | length 87
  Top Layer w10: R299.2@8431.5,2960 PC8.1@8518.5,2960
NetPC8_2: PC8.2 R286.2 | length 131.2
  Top Layer w10: PC8.2@8581.5,2950 8591.5,2960 v1(8640,2960)
  Bottom Layer w10: R286.2@8571.5,2960 v1(8640,2960)
NetPC9_1: PC9.1 R298.2 | length 87
  Top Layer w10: R298.2@6431.5,1660 PC9.1@6518.5,1660
NetPC9_2: PC9.2 R285.2 | length 137
  Top Layer w10: PC9.2@6581.5,1660 v1(6650,1660)
  Bottom Layer w10: R285.2@6581.5,1660 v1(6650,1660)
NetPC10_1: PC10.1 R297.2 | length 87
  Top Layer w10: R297.2@7431.5,1660 PC10.1@7518.5,1660
NetPC10_2: PC10.2 R284.2 | length 127
  Top Layer w10: PC10.2@7581.5,1660 v1(7650,1660)
  Bottom Layer w10: R284.2@7591.5,1660 v1(7650,1660)
NetPC11_1: PC11.1 R295.2 | length 87
  Top Layer w10: R295.2@8431.5,1660 PC11.1@8518.5,1660
NetPC11_2: PC11.2 R283.2 | length 127
  Top Layer w10: PC11.2@8581.5,1660 v1(8650,1660)
  Bottom Layer w10: R283.2@8591.5,1660 v1(8650,1660)
NetR2_1: R2.1 R18.1 | length 210.9
  Top Layer w10: R18.1@900,1221.5 902.47,1221.5 913.22,1232.24 v1(913.22,1307.64)
  Bottom Layer w10: R2.1@900,1418.5 910,1408.5 912.47,1408.5 913.22,1407.76 v1(913.22,1307.64)
NetR7_2: R7.2 U1.34 | length 199.9
  Top Layer w10: U1.34@1357.48,1052.13 1382.13,1052.13 1400,1070 R7.2@1400,1218.5 R7.2@1400,1220
NetR11_2: R11.2 U1.43 | length 117.9
  Top Layer w10: R11.2@1050,1158.5 R11.2@1054.02,1154.49 ; R11.2@1060,1158.5 1060,1130 1074.02,1115.98 U1.43@1074.02,1052.13
NetR18_2: R18.2 U1.1 | length 253.4
  Top Layer w10: R18.2@900,1158.5 900,1100 890,1090 890,983.94 906.46,967.48 U1.1@957.87,967.48
NetR20_2: R20.2 U1.32 | length 218.5
  Top Layer w10: U1.32@1442.13,935.98 1448.94,942.79 1492.8,942.79 1520,970 1520,1044.14 1525.86,1050 R20.2@1570,1050
NetR22_2: R22.2 U1.41 | length 111.8
  Top Layer w10: U1.41@1137.01,1052.13 1137.01,1107.01 1150,1120 R22.2@1150,1158.5
NetR24_2: R24.2 U1.38 | length 207
  Top Layer w10: R24.2@1230,1258.5 1231.5,1257.01 U1.38@1231.5,1052.13
NetR27_2: R27.2 U1.35 | length 1154.6
  Top Layer w10: R27.2@710,1411.5 v1(710,1490) ; U1.35@1325.98,1052.13 1325.98,1137.45 1350,1161.46 v1(1350,1170)
  Bottom Layer w10: v1(710,1490) 710,1190 730,1170 v1(1350,1170)
NetR31_1: R31.1 U1.36 | length 372.8
  Top Layer w10: U1.36@1294.49,1052.13 1294.49,1194.49 1310,1210 v1(1310,1300)
  Bottom Layer w10: v1(1310,1300) R31.1@1310,1418.5
NetR139_1: R139.1 X3.3 | length 424.9
  Top Layer w10: X3.3@420,1102.68 422.68,1100 474.14,1100 480,1105.86 480,1220 521.5,1261.5 R139.1@710,1261.5
NetR140_2: R140.2 X3.1 | length 135.5
  Top Layer w10: R140.2@85,938.5 218.82,938.5 X3.1@220,937.32
NetR152_2: R152.2 TP24.1 | length 719.1
  Top Layer w10: R152.2@4060,511.5 4060,644.14 4065.86,650 4320,650 4335,635 4335,495 4350,480 4394.14,480 4400,474.14 TP24.1@4400,385
NetR153_1: R153.1 TP25.1 | length 787.1
  Top Layer w10: R153.1@3860,511.5 3860,554.14 3865.86,560 3930,560 3940,570 3940,675 4385,675 4385.86,675.86 4400,661.72 TP25.1@4400,575
NetR154_2: R154.2 TP26.1 | length 504.7
  Top Layer w10: R154.2@3996.5,100 4385,100 4400,115 TP26.1@4400,210
NetTP1_1: TP1.1 U1.6 | length 1279.3
  Top Layer w10: TP1.1@810,1680 810,963.45 804.14,957.59 675.86,957.59 670,951.73 670,830 690,810 U1.6@957.87,810
NetTP2_1: TP2.1 U1.2 | length 872.9
  Top Layer w10: TP2.1@940,1680 940,1605.86 934.14,1600 890.86,1600 885,1594.14 885,1328.34 871.3,1314.64 871.3,955.54 890.86,935.98 U1.2@957.87,935.98
NetTP3_1: TP3.1 U1.44 | length 740
  Top Layer w10: U1.44@1042.52,1052.13 997.87,1052.13 1000,1054.25 1000,1600 1064.14,1600 1070,1605.86 TP3.1@1070,1680
NetTP4_1: TP4.1 U1.42 | length 715.5
  Top Layer w10: U1.42@1105.51,1052.13 1105.51,1621.21 1111.37,1627.07 1194.14,1627.07 1200,1632.93 TP4.1@1200,1680
NetTP5_1: TP5.1 U1.40 | length 767.5
  Top Layer w10: U1.40@1168.5,1052.13 1168.5,1098.5 1194.14,1124.14 1194.14,1604.14 1200,1610 1324.14,1610 1330,1615.86 TP5.1@1330,1680
NetTP6_1: TP6.1 U1.37 | length 796.3
  Top Layer w10: U1.37@1262.99,1052.13 1269.8,1058.94 1269.8,1089.2 1270,1089.4 1270,1424.14 1275.86,1430 1390,1430 1420,1460 1420,1520 1454.14,1520 1460,1525.86 TP6.1@1460,1680
NetTP7_1: TP7.1 U1.33 | length 841.6
  Top Layer w10: U1.33@1442.13,967.48 1442.13,1467.87 1454.25,1480 1570,1480 1590,1500 TP7.1@1590,1680
NetTP18_1: TP18.1 U8.17 | length 1076.5
  Top Layer w10: v1(3460,2940) 3460,3110 3480,3130 3534.14,3130 3540,3135.86 TP18.1@3540,3280 ; U8.17@3689.76,2768.39 3690.57,2769.19 3829.19,2769.19 v1(3830,2770)
  Bottom Layer w10: v1(3460,2940) 3470,2930 3600,2930 3600,2775.86 3605.86,2770 v1(3830,2770)
NetTP19_1: TP19.1 U8.3 | length 434.8
  Top Layer w10: U8.3@3410.24,2793.98 3564.14,2793.98 3570,2799.83 3570,2980 3540,3010 TP19.1@3540,3060
NetTP20_1: TP20.1 X2.1 | length 1011.3
  Top Layer w10: TP20.1@150,2280 100,2280 70,2250 70,1485.86 75.86,1480 219.84,1480 X2.1@221.57,1481.73
NetTP21_1: TP21.1 X2.6 | length 537
  Top Layer w10: TP21.1@150,2080 150,1970 130,1950 105.86,1950 100,1944.14 100,1704.13 105.86,1698.27 X2.6@221.57,1698.27 X2.6@220,1699.84